# Altium PCB PDB_PCB1.PcbDoc (part 2 of 2)
Units mm, origin at the board's own origin, x right, y up, seen from the top; angles counter-clockwise.
Board outline 56 x 38 mm, 4 copper layers (Top Layer, GND, POWER, Bottom Layer), stack 0.603 mm thick; 69 components, 103 nets, 349 pads, 140 vias.
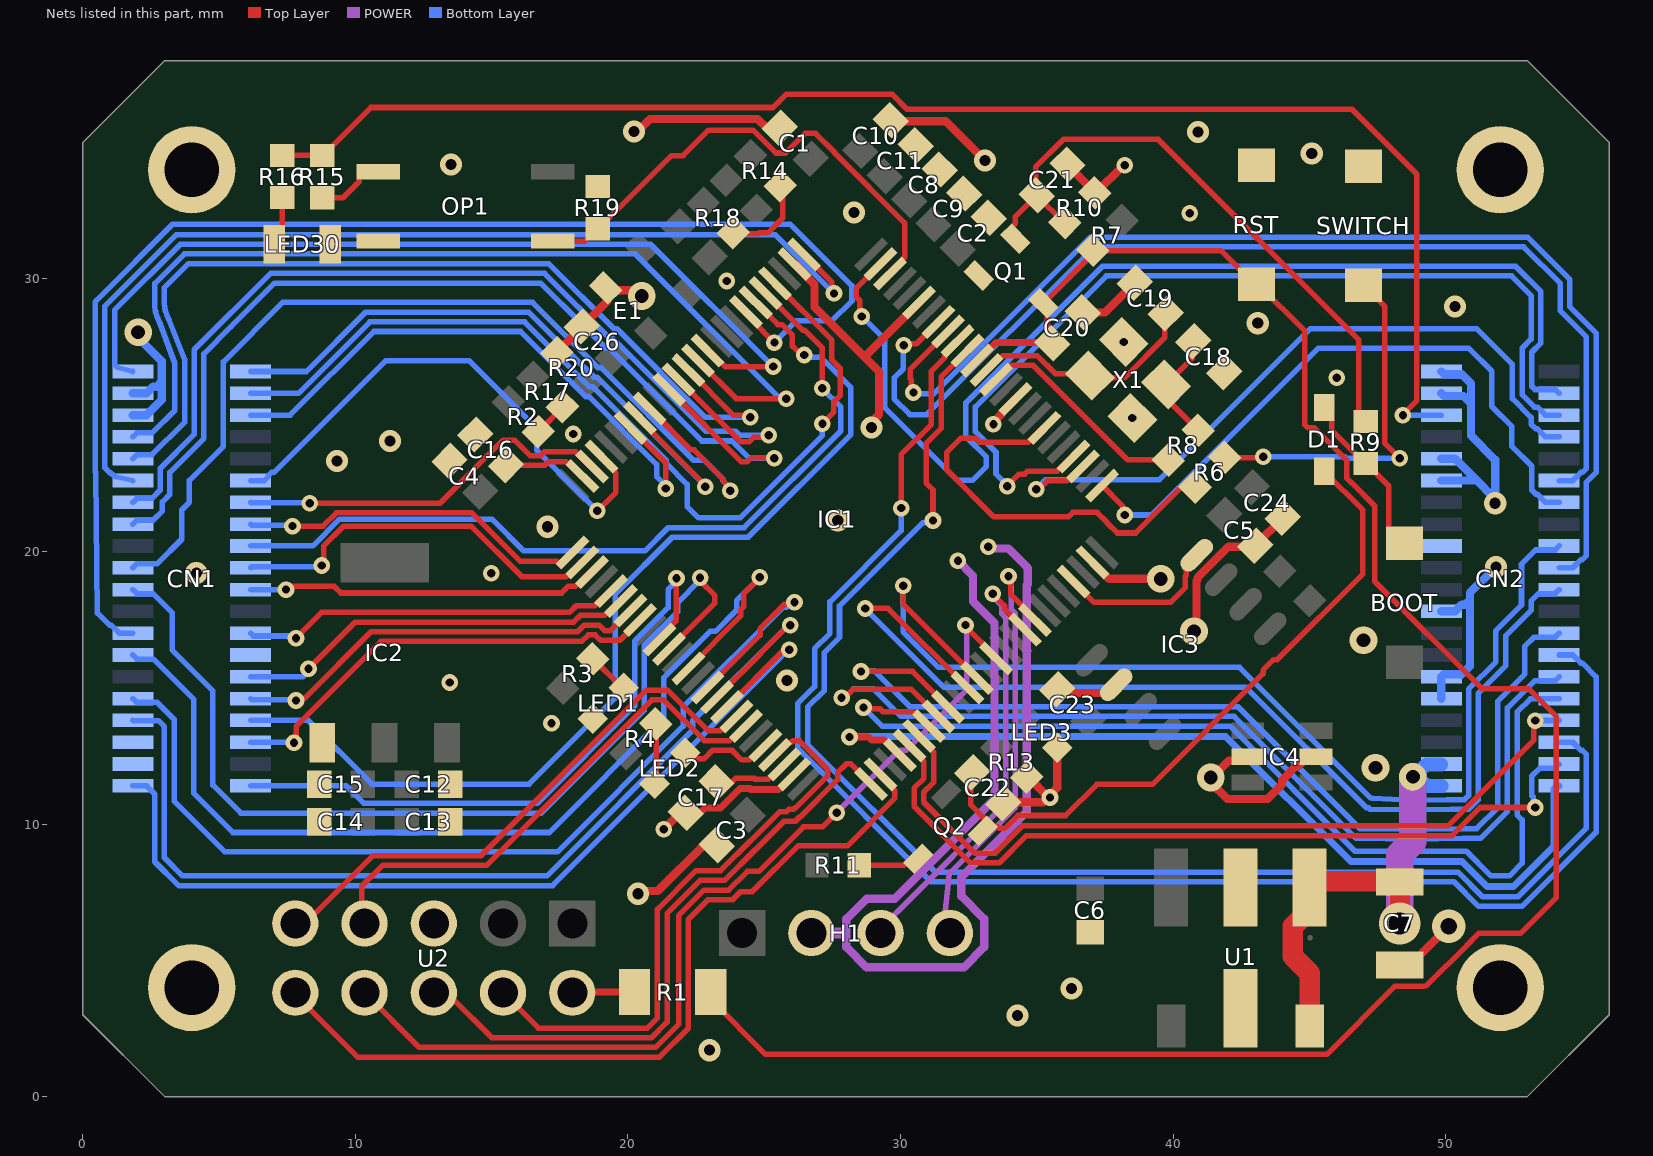
[diagram p4: the nets of this part, all layers, seen from the top]

## Via types
v1: diameter 0.61, hole 0.305, Top Layer to Bottom Layer, 100 vias
v2: diameter 0.813, hole 0.406, Top Layer to Bottom Layer, 21 vias
v3: diameter 1.016, hole 0.508, Top Layer to Bottom Layer, 8 vias
v4: diameter 1.219, hole 0.61, Top Layer to Bottom Layer, 3 vias
v5: diameter 1.524, hole 0.762, Top Layer to Bottom Layer, 2 vias
v6: diameter 1.524, hole 0.813, Top Layer to Bottom Layer, 2 vias
v7: diameter 1.2, hole 1.2, Top Layer to Bottom Layer, 2 vias
v8: diameter 0.8, hole 0.8, Top Layer to Bottom Layer, 2 vias

## Nets (pads, with @x,y where several pads share a name; then routed paths per layer and width w, separated by ;. In a path a pad name is that pad's centre, name@x,y a point inside that pad or via, vN(x,y) a via of type N, cw(c..) or ccw(c..) an arc to the next point about the centre after c; other vN are vias at no path point) (continued)
FIREON_PWR_EN: CN1.8 IC1.40 | length 37.4
  Top Layer w0.203: IC1.40@21.507,25.948 24.17,23.286 24.373,23.286 24.531,23.444 25.349,23.444 v1(25.372,23.421)
  Bottom Layer w0.203: CN1.8@1.84,21 1.988,21.148 2.587,21.148 2.921,21.483 2.921,21.819 3.2,22.097 3.2,22.9 4.445,24.145 4.445,24.85 4.445,27.25 5.44,28.245 7.04,29.845 16.8,29.845 18.349,28.296 19.187,27.458 19.303,27.458 22.71,24.051 23.814,24.051 24.443,23.421 v1(25.372,23.421)
GLVMS-: CN2.3 R15.2 R16.2 | length 54.2
  Top Layer w0.203: R16.2@7.315,34.528 8.785,34.528 R15.2@8.788,34.524 8.813,34.524 10.573,36.284 25.318,36.284 25.501,36.467 25.507,36.467 25.812,36.772 29.693,36.772 30.245,36.22 46.562,36.22 48.946,33.837 48.946,25.544 48.431,25.029 v1(48.431,24.994)
  Bottom Layer w0.203: v1(48.431,24.994) 48.434,24.997 49.837,24.997 CN2.3@49.84,25
GLVMS_OFF: IC1.23 OP1.3 R19.2 | length 18.7
  Top Layer w0.203: OP1.3@17.247,31.384 18.418,31.384 18.873,31.839 18.923,31.839 21.605,34.521 22.022,34.521 22.96,35.458 24.588,35.458 25.43,34.616 25.777,34.616 26.497,35.336 26.881,35.336 27.592,34.625 27.592,34.606 30.15,32.047 30.15,30.787 29.622,30.259 IC1.23@29.622,30.191
GND: C1.1 C2.1 C3.1 C4.1 C5.1 C6.1 C7.1 C8.1 C9.1 C10.1 C11.1 C12.1 C13.1 C14.1 C15.1 C16.2 C17.2 C18.2 C19.1 C20.1 C21.1 C22.1 C23.1 C24.1 C26.1 CN1.2 CN1.3 CN1.18 CN1.19 CN1.27 CN2.1 CN2.2 CN2.5 CN2.6 CN2.9 CN2.12 CN2.15 CN2.16 E1.2 H1.2 IC1.10 IC1.20 IC1.27 IC1.74 IC1.99 IC2.1 IC3.2 IC4.2 IC4.5 LED1.1 LED3.1 LED30.1 OP1.2 pad.3 pad.4 pad.5 pad.6 Q1.2 R10.1 R13.1 R19.1 R20.2 RST.2 SWITCH.2 U1.2 U1.5 U2.5 X1.2 X1.4 | length 131.2
  Top Layer w0.254: C17.2@22.117,10.407 22.152,10.372 22.609,10.372 22.824,10.587 23.399,10.587 24.107,11.296 24.471,11.296 24.5,11.267 25.516,11.267 26.071,11.823 IC1.74@26.103,11.823
  Top Layer w0.305: R20.2@17.393,27.286 17.393,27.311 18.307,28.225 C26.1@18.307,28.251 19.268,29.212 E1.2@19.268,29.576 ; E1.2@19.18,29.664 E1.2@19.268,29.576 ; v2(20.218,35.408) 20.356,35.408 20.813,35.865 24.756,35.865 25.115,35.506 25.536,35.506 C1.1@25.571,35.541 ; v2(20.371,7.442) 20.468,7.539 21.094,7.539 22.803,9.249 23.224,9.249 C3.1@23.26,9.213 ; v3(20.505,29.366) 20.313,29.366 20.103,29.576 E1.2@19.268,29.576 ; v1(21.311,9.804) 21.913,10.407 C17.2@22.117,10.407 ; IC1.27@26.103,30.544 26.103,30.541 26.848,29.797 26.848,28.96 28.679,27.129 ; v2(28.931,24.54) 29.028,24.637 29.028,24.831 29.21,25.013 29.21,26.598 28.679,27.129 ; C10.1@29.649,35.821 29.684,35.786 31.651,35.786 v2(33.096,34.341) ; IC1.20@30.683,29.13 28.682,27.129 28.679,27.129 ; v1(33.409,24.666) 33.409,24.749 33.719,25.059 33.719,25.092 34.218,25.591 IC1.10@34.218,25.595 ; C22.1@33.738,10.763 33.773,10.798 35.227,10.798 35.401,10.973 v1(35.484,10.973) ; R13.1@34.635,11.72 34.686,11.72 35.433,10.973 v1(35.484,10.973) ; LED3.1@35.747,12.797 35.747,11.318 35.484,11.055 v1(35.484,10.973) ; C23.1@35.756,14.942 35.792,14.977 36.213,14.977 36.382,14.808 37.608,14.808 IC3.2@37.909,15.108 ; C21.1@36.126,34.195 36.126,34.178 37.124,33.179 R10.1@37.124,33.162 37.175,33.162 38.176,34.163 v1(38.227,34.163) ; C20.1@36.691,28.767 36.727,28.731 37.148,28.731 37.183,28.767 37.502,28.767 C19.1@38.594,29.859 ; IC1.99@37.047,19.601 37.656,18.992 v3(39.548,18.992) ; v3(40.768,17.069) 40.857,17.157 40.857,18.912 40.894,18.949 40.894,19.035 42.036,20.176 42.974,20.176 C5.1@43.009,20.212 C24.1@44.025,21.228 ; IC4.5@42.743,12.471 42.595,12.324 42.049,12.324 41.435,11.709 v3(41.381,11.709) 41.381,11.527 41.992,10.917 43.469,10.917 43.993,11.44 43.993,11.602 44.517,12.126 44.598,12.126 44.943,12.471 IC4.2@45.243,12.471 ; C7.1@48.311,4.825 48.686,4.825 50.109,6.248 v4(50.114,6.248)
  POWER w0.305: v1(32.106,19.66) 32.662,19.103 32.662,18.74 32.662,18.164 33.449,17.376 33.449,10.919 29.836,7.306 29.786,7.256 29.27,7.256 28.75,7.256 28.014,6.52 28.014,5.48 28.75,4.744 32.33,4.744 33.066,5.48 33.066,6.52 32.233,7.354 32.233,8.05 34.635,10.453 34.635,18.759 34.672,18.796 34.672,19.385 34.635,19.422 34.635,19.432 33.957,20.109 33.282,20.109 v1(33.223,20.168)
  POWER w0.406: H1.2@26.786,5.944 H1.2@26.73,6 27.963,6
  Bottom Layer w0.305: CN1.3@1.84,25 2.34,25 2.895,25.555 2.895,26.224 ; CN1.2@1.84,25.8 2.34,25.8 2.585,26.045 2.716,26.045 2.895,26.224 ; v3(2.032,28.042) 2.032,27.849 2.895,26.986 2.895,26.224 ; CN2.16@49.84,14.6 CN2.15@49.84,15.4 49.938,15.498 50.6,15.498 50.895,15.792 50.895,18.224 ; CN2.12@49.84,17.8 50.34,17.8 50.585,18.045 50.716,18.045 50.895,18.224 ; CN2.6@49.84,22.6 51.14,22.6 ; CN2.5@49.84,23.4 50.34,23.4 51.14,22.6 ; CN2.2@49.84,25.8 49.938,25.702 50.65,25.702 50.927,25.425 ; CN2.1@49.84,26.6 49.938,26.502 50.588,26.502 50.927,26.163 50.927,25.425 ; v2(51.841,19.431) 50.895,18.484 50.895,18.224 ; 50.927,25.425 50.927,24.247 51.816,23.358 v2(51.816,21.768) 51.719,21.865 51.719,22.021 51.14,22.6
  other v1: 17.196,13.691 13.464,15.191 14.986,19.202 17.999,24.308 38.506,24.892 45.999,26.365 38.188,27.685 23.622,29.921 40.615,32.41
  other v2: 22.987,1.702 34.29,2.972 36.271,3.962 25.837,15.26 4.166,19.202 17.043,20.904 27.697,21.133 9.322,23.317 11.278,24.054 43.104,28.372 50.343,28.981 28.296,32.436 13.513,34.188 45.085,34.595 40.919,35.382
  other v3: 47.422,12.065 46.986,16.743
GPIO_OUTPUT_PE0: IC1.97 IC3.8 | length 6
  Top Layer w0.203: IC1.97@36.34,18.894 37.105,18.128 39.906,18.128 40.451,18.673 40.451,19.08 40.488,19.118 40.488,19.484 IC3.8@40.864,19.86
H1_24V_Backup_EN: CN2.28 IC1.84 | length 37.6
  Top Layer w0.203: v1(28.55,15.596) 30.446,15.596 IC1.84@31.743,14.298
  Bottom Layer w0.203: v1(28.55,15.596) 29.058,15.596 30.353,14.3 42.383,14.3 46.858,9.825 46.939,9.825 48.768,9.803 ccw(c48.794,11.734) 48.82,9.803 50.492,9.825 50.496,9.829 51.137,9.829 51.911,10.603 51.911,12.603 51.911,14.51 52.908,15.507 52.908,16.526 53.234,16.852 54.012,16.852 CN2.28@54.16,17
H1_current_IN10: CN2.23 IC1.15 | length 53.1
  Top Layer w0.203: v1(31.191,21.133) 31.191,22.256 30.937,22.51 30.937,23.959 31.489,24.511 31.489,26.401 IC1.15@32.45,27.362
  Bottom Layer w0.203: v1(31.191,21.133) 31.113,21.055 30.817,21.055 27.762,18 27.762,16.846 27.203,16.287 27.203,14.895 26.594,14.286 26.594,12.918 31.273,8.238 50.444,8.238 51.35,7.332 52.65,7.332 55.164,9.845 55.164,12.555 55.015,12.704 54.956,12.704 54.66,13 CN2.23@54.16,13
H1_select: CN2.22 IC1.80 | length 29.5
  Top Layer w0.203: IC1.80@30.329,12.884 30.329,12.815 30.857,12.287 30.857,11.674 30.497,11.315 30.497,10.651 32.572,8.577 33.622,8.577 34.62,9.576 50.236,9.576 51.266,10.606 v1(53.282,10.606)
  Bottom Layer w0.203: v1(53.282,10.606) 53.205,10.684 53.205,10.996 53.156,11.045 53.156,11.755 53.452,12.052 54.012,12.052 CN2.22@54.16,12.2
H2_24V_Backup_EN: CN2.32 IC1.87 | length 40.5
  Top Layer w0.203: v1(30.099,18.745) 30.099,18.063 IC1.87@32.804,15.358
  Bottom Layer w0.203: v1(30.099,18.745) 30.099,17.043 31.394,15.748 42.443,15.748 47.181,11.011 47.235,10.956 47.313,10.952 48.746,10.871 ccw(c48.794,11.734) 48.81,10.87 50.05,10.892 50.054,10.896 50.695,10.896 50.844,11.045 50.844,13.045 50.844,14.952 51.841,15.949 51.841,17.094 52.781,18.034 52.781,19.533 53.3,20.052 54.012,20.052 CN2.32@54.16,20.2
H2_current_IN11: CN2.27 IC1.16 | length 57.6
  Top Layer w0.203: v1(30.023,21.59) 30.023,23.548 31.133,24.658 31.133,26.616 31.631,27.114 31.631,27.181 32.097,27.647 IC1.16@32.097,27.716
  Bottom Layer w0.203: v1(30.023,21.59) 30.023,20.764 27.407,18.147 27.407,16.993 26.848,16.435 26.848,15.043 26.238,14.433 26.238,12.77 31.126,7.882 50.297,7.882 51.203,6.976 52.798,6.976 55.52,9.698 55.52,15.4 55.015,15.904 54.956,15.904 54.66,16.2 CN2.27@54.16,16.2
H2_select: CN2.26 IC1.83 | length 37.5
  Top Layer w0.203: v1(27.838,14.63) 27.948,14.63 28.253,14.935 30.399,14.935 IC1.83@31.39,13.944
  Bottom Layer w0.203: v1(27.838,14.63) 27.948,14.63 28.253,14.935 29.032,14.935 30.023,13.945 42.235,13.945 46.71,9.47 46.792,9.47 48.769,9.448 ccw(c48.794,11.734) 48.824,9.448 50.64,9.47 50.644,9.474 51.284,9.474 52.266,10.456 52.266,12.368 52.266,14.257 53.261,15.252 54.012,15.252 CN2.26@54.16,15.4
H3_24V_Backup_EN: CN2.37 IC1.3 | length 26.2
  Top Layer w0.203: v1(34.976,22.283) 35.086,22.283 35.391,22.588 35.638,22.588 35.64,22.59 35.823,22.59 35.825,22.592 36.097,22.592 36.625,23.12 IC1.3@36.693,23.12
  Bottom Layer w0.203: v1(34.976,22.283) 35.324,22.631 39.497,22.631 45.036,28.171 51.137,28.171 52.445,26.863 52.445,25.604 53.137,24.912 53.137,24.664 53.305,24.496 53.364,24.496 53.66,24.2 CN2.37@54.16,24.2
H3_current_IN12: CN2.31 IC1.17 | length 41.9
  Top Layer w0.203: v1(30.473,25.828) 30.395,25.906 30.395,26.3 30.36,26.336 30.36,26.686 IC1.17@31.743,28.069
  Bottom Layer w0.203: v1(30.473,25.828) 30.519,25.782 31.082,25.782 31.15,25.715 36.964,31.529 53.006,31.529 54.559,29.976 54.559,28.97 55.52,28.009 55.52,22.898 55.164,22.542 55.164,19.845 55.015,19.696 54.956,19.696 54.66,19.4 CN2.31@54.16,19.4
H3_select: CN2.30 IC1.86 | length 39.9
  Top Layer w0.203: v1(28.702,17.907) 29.548,17.907 IC1.86@32.45,15.005
  Bottom Layer w0.203: v1(28.702,17.907) 31.598,15.011 42.677,15.011 47.093,10.596 47.169,10.596 47.228,10.536 48.777,10.514 ccw(c48.794,11.734) 48.816,10.515 50.198,10.536 50.202,10.54 50.842,10.54 51.2,10.898 51.2,12.897 51.2,14.805 52.197,15.802 52.197,16.899 53.137,17.839 53.137,18.186 53.402,18.452 54.012,18.452 CN2.30@54.16,18.6
H4_current_IN13: CN2.35 IC1.18 | length 39.9
  Top Layer w0.203: v1(30.121,27.562) 30.17,27.611 30.578,27.611 IC1.18@31.39,28.423
  Bottom Layer w0.203: v1(30.121,27.562) 30.102,27.543 30.102,26.701 29.769,26.368 29.769,25.598 30.348,25.019 30.957,25.019 37.111,31.173 52.859,31.173 54.204,29.828 54.204,28.823 55.164,27.862 55.164,23.045 55.015,22.896 54.956,22.896 54.66,22.6 CN2.35@54.16,22.6
H4_select: CN2.34 IC1.1 | length 23.9
  Top Layer w0.203: IC1.1@37.4,22.413 38.149,21.664 38.149,21.414 v1(38.227,21.336)
  Bottom Layer w0.203: v1(38.227,21.336) 39.207,21.336 45.331,27.46 50.843,27.46 51.689,26.613 51.689,25.324 52.426,24.587 52.426,23.856 53.156,23.125 53.156,22.245 53.305,22.096 53.364,22.096 53.66,21.8 CN2.34@54.16,21.8
H5_current_IN1: CN2.39 IC1.24 | length 42
  Top Layer w0.203: v1(28.582,28.619) 28.504,28.697 28.504,29.205 28.372,29.337 28.372,29.648 IC1.24@29.269,30.544
  Bottom Layer w0.203: v1(28.582,28.619) 29.413,27.788 29.413,25.279 32.086,22.606 32.633,22.606 33.147,23.12 33.147,23.47 32.393,24.224 32.393,25.449 37.406,30.462 52.564,30.462 53.492,29.534 53.492,27.642 53.156,27.305 53.156,26.059 53.275,25.94 54.02,25.94 CN2.39@54.16,25.8
H5_select: CN2.38 IC1.4 | length 34.4
  Top Layer w0.203: v1(33.916,22.396) 33.916,22.41 34.339,22.833 34.552,22.833 34.663,22.943 35.47,22.943 35.472,22.945 35.743,22.945 36.271,23.473 IC1.4@36.34,23.473
  Bottom Layer w0.203: v1(33.916,22.396) 33.916,22.432 33.503,22.845 33.503,23.638 32.748,24.393 32.748,25.302 37.553,30.106 52.417,30.106 53.137,29.386 53.137,27.789 52.8,27.453 52.8,25.752 53.256,25.296 53.364,25.296 53.66,25 CN2.38@54.16,25
I2C1_SCL: H1.3 IC1.92 | length 16.5
  Top Layer w0.203: v1(33.379,18.452) 33.379,18.438 33.816,18.002 33.816,17.882 IC1.92@34.572,17.126
  POWER w0.203: H1.3@29.007,5.944 30.014,6.91 33.855,10.751 33.855,17.567 33.706,17.716 33.706,18.015 33.379,18.342 v1(33.379,18.452)
I2C1_SDA: H1.4 IC1.93 | length 16.3
  Top Layer w0.203: v1(33.961,19.091) 34.038,19.013 34.038,18.727 34.04,18.725 34.04,18.434 34.925,17.548 IC1.93@34.925,17.48
  POWER w0.203: H1.4@31.547,5.944 31.779,8.171 34.211,10.603 34.211,17.714 34.061,17.864 34.061,18.704 34.038,18.727 34.038,19.013 v1(33.961,19.091)
IL+_PWR_EN: CN2.21 IC1.79 | length 33.2
  Top Layer w0.254: v1(28.127,13.192) 28.831,13.192 28.94,13.083 29.39,13.083 29.943,12.53 IC1.79@29.976,12.53
  Bottom Layer w0.254: v1(28.127,13.192) 28.143,13.208 41.93,13.208 46.519,8.619 50.602,8.619 51.508,7.713 52.492,7.713 53.968,9.189 53.968,11.277 54.091,11.4 CN2.21@54.16,11.4
L1_5V_Backup_EN: CN1.4 IC1.37 | length 36.4
  Top Layer w0.203: IC1.37@22.568,27.009 23.974,25.603 v1(25.806,25.603)
  Bottom Layer w0.203: CN1.4@1.84,24.2 1.988,24.348 2.548,24.348 3.378,25.179 3.378,25.292 3.378,26.899 2.842,28.342 ccw(c2.032,28.042) 2.825,28.383 2.748,28.564 ; 2.748,28.565 2.719,28.632 2.698,28.701 cw(c4,29.1) 2.669,28.809 2.638,28.953 2.638,29.819 2.65,29.833 3.729,30.912 20.269,30.912 25.5,25.681 25.729,25.681 v1(25.806,25.603)
L1_24V_Backup_EN: CN1.40 IC1.43 | length 23.8
  Top Layer w0.203: IC1.43@20.447,24.887 20.447,24.826 22.835,22.438 v1(22.835,22.377)
  Bottom Layer w0.203: CN1.40@6.16,26.6 8.205,26.6 10.383,28.778 16.358,28.778 18.745,26.391 18.861,26.391 22.835,22.418 v1(22.835,22.377)
L1_current_IN3: CN1.6 IC1.26 | length 37.7
  Top Layer w0.203: IC1.26@26.457,30.898 27.481,29.874 27.481,29.542 v1(27.559,29.464)
  Bottom Layer w0.203: CN1.6@1.84,22.6 1.192,22.748 0.985,22.896 0.813,23.068 0.813,29.002 3.434,31.623 25.4,31.623 v1(27.559,29.464)
L1_select0: CN1.7 IC1.39 | length 35.9
  Top Layer w0.203: IC1.39@21.861,26.302 24.134,24.028 24.457,24.028 24.611,24.183 25.09,24.183 v1(25.168,24.26)
  Bottom Layer w0.203: CN1.7@1.84,21.8 1.988,21.948 2.548,21.948 2.844,22.245 2.844,23.047 4.089,24.292 4.089,24.997 4.089,27.397 6.893,30.201 16.947,30.201 19.334,27.813 19.451,27.813 22.857,24.406 23.961,24.406 24.11,24.257 25.165,24.257 v1(25.168,24.26)
L1_select1: CN1.10 IC1.42 | length 36.1
  Top Layer w0.203: IC1.42@20.8,25.241 22.32,23.721 22.425,23.721 23.495,22.651 23.495,22.589 23.749,22.335 v1(23.749,22.225)
  Bottom Layer w0.203: CN1.10@1.84,19.4 1.98,19.54 2.725,19.54 3.632,20.447 3.632,21.524 3.911,21.803 3.911,22.605 5.156,23.85 5.156,24.555 5.156,26.955 7.335,29.134 16.505,29.134 18.892,26.746 19.009,26.746 22.415,23.34 22.806,23.34 23.495,22.651 23.495,22.589 23.749,22.335 v1(23.749,22.225)
L2_5V_Backup_EN: CN1.34 IC1.48 | length 14
  Top Layer w0.203: v1(8.331,21.768) 13.105,21.768 15.421,24.084 15.842,24.084 16.413,23.514 16.798,23.514 16.935,23.65 17.876,23.65 17.878,23.648 18.082,23.648 18.61,23.12 IC1.48@18.679,23.12
  Bottom Layer w0.203: CN1.34@6.16,21.8 6.176,21.784 8.315,21.784 v1(8.331,21.768)
L2_24V_Backup_EN: CN1.5 IC1.38 | length 34.7
  Top Layer w0.203: IC1.38@22.214,26.655 23.876,24.994 24.409,24.994 v1(24.486,24.917)
  Bottom Layer w0.203: CN1.5@1.84,23.4 1.988,23.548 2.548,23.548 3.734,24.734 3.734,25.144 3.734,27.046 3.167,28.488 ccw(c2.032,28.042) 3.153,28.521 3.075,28.705 cw(c4,29.1) 2.994,29.1 2.994,29.672 3.053,29.731 3.878,30.556 17.094,30.556 19.482,28.169 19.598,28.169 22.849,24.917 v1(24.486,24.917)
L2_current_IN4: CN1.39 IC1.29 | length 33.7
  Top Layer w0.203: IC1.29@25.396,29.837 27.483,27.751 27.483,27.024 27.788,26.719 27.788,25.711 27.559,25.482 27.559,25.119 27.135,24.695 v1(27.135,24.681)
  Bottom Layer w0.203: CN1.39@6.16,25.8 7.908,25.8 10.53,28.423 16.21,28.423 18.598,26.035 18.714,26.035 21.411,23.339 21.411,23.222 22.174,22.459 22.174,21.647 22.589,21.231 24.116,21.231 27.123,24.238 27.123,24.669 v1(27.135,24.681)
L2_select0: CN1.38 IC1.44 | length 22
  Top Layer w0.203: IC1.44@20.093,24.534 21.392,23.235 v1(21.392,22.307)
  Bottom Layer w0.203: CN1.38@6.16,25 7.611,25 10.678,28.067 16.063,28.067 18.45,25.68 18.567,25.68 21.055,23.191 21.055,22.754 21.392,22.417 v1(21.392,22.307)
L2_select1: CN1.35 IC1.47 | length 19.8
  Top Layer w0.203: v1(18.88,21.487) 19.558,22.166 19.558,22.597 19.56,22.599 19.56,22.877 19.032,23.405 IC1.47@19.032,23.473
  Bottom Layer w0.203: CN1.35@6.16,22.6 6.66,22.6 6.808,22.748 6.808,22.777 6.927,22.896 7.015,22.896 11.119,27 14.171,27 16.66,24.512 16.66,23.707 v1(18.88,21.487)
L3_5V_Backup_EN: CN1.1 IC1.36 | length 32.4
  Top Layer w0.203: IC1.36@22.922,27.362 22.986,27.362 23.567,26.781 v1(25.334,26.781)
  Bottom Layer w0.203: CN1.1@1.84,26.6 1.27,26.748 1.168,26.85 1.168,28.854 3.581,31.267 20.834,31.267 25.32,26.781 v1(25.334,26.781)
L3_current_IN5: CN1.32 IC1.30 | length 30.6
  Top Layer w0.203: IC1.30@25.043,29.484 26.416,28.11 26.494,28.11 27.127,27.477 v1(27.127,25.984)
  Bottom Layer w0.203: CN1.32@6.16,20.2 8.44,20.2 9.423,21.184 15.011,21.184 16.178,20.017 20.621,20.017 21.48,20.876 24.264,20.876 27.813,24.425 27.813,25.298 v1(27.127,25.984)
L3_select0: CN1.31 IC1.52 | length 14.2
  Top Layer w0.203: v1(8.763,19.482) 8.839,19.558 8.839,20.193 9.576,20.93 14.249,20.93 16.105,19.074 17.45,19.074 ; 17.451,19.073 17.729,19.073 18.257,19.601 IC1.52@18.325,19.601
  Bottom Layer w0.203: CN1.31@6.16,19.4 6.201,19.441 8.722,19.441 v1(8.763,19.482)
L3_select1: CN1.28 IC1.55 | length 14
  Top Layer w0.203: v1(7.822,16.819) 8.767,17.764 17.861,17.764 18.104,18.007 18.784,18.007 19.318,18.54 IC1.55@19.386,18.54
  Bottom Layer w0.203: CN1.28@6.16,17 6.263,16.897 7.745,16.897 v1(7.822,16.819)
L4_5V_Backup_EN: CN1.11 IC1.61 | length 35.8
  Top Layer w0.203: IC1.61@21.507,16.419 23.189,18.1 23.189,18.383 22.647,18.924 v1(22.647,19.034)
  Bottom Layer w0.203: CN1.11@1.84,18.6 1.988,18.452 2.58,18.452 3.277,17.755 3.277,16.383 4.775,14.884 4.775,11.426 5.801,10.4 16.82,10.4 20.599,14.179 20.599,16.561 21.832,17.793 21.832,18.128 22.647,18.944 v1(22.647,19.034)
L4_current_IN6: CN1.24 IC1.31 | length 37.3
  Top Layer w0.203: IC1.31@24.689,29.13 25.498,28.321 25.648,28.321 26.035,27.934 26.035,27.534 26.365,27.203 v1(26.467,27.203)
  Bottom Layer w0.203: CN1.24@6.16,13.8 8.273,13.8 10.606,11.467 16.378,11.467 19.533,14.621 19.533,18.426 21.627,20.52 24.411,20.52 28.169,24.278 28.169,26.026 27.069,27.126 26.545,27.126 v1(26.467,27.203)
L4_select0: CN1.23 IC1.58 | length 16.6
  Top Layer w0.203: v1(7.751,12.981) 7.828,13.059 7.828,13.585 10.941,16.697 18.303,16.697 18.546,16.94 18.797,16.94 18.996,16.741 19.708,16.741 IC1.58@20.447,17.48
  Bottom Layer w0.203: CN1.23@6.16,13 6.169,12.991 7.741,12.991 v1(7.751,12.981)
L4_select1: CN1.20 IC1.67 | length 33.8
  Top Layer w0.203: IC1.67@23.629,14.298 25.65,16.319 25.842,16.319 v1(25.92,16.397)
  Bottom Layer w0.203: CN1.20@1.84,11.4 2.34,11.4 2.642,11.098 2.642,8.615 3.519,7.738 17.238,7.738 25.896,16.397 v1(25.92,16.397)
L5_current_IN7: CN1.13 IC1.32 | length 48.5
  Top Layer w0.203: IC1.32@24.336,28.777 24.336,28.708 24.944,28.1 24.944,28.092 v1(25.375,27.661)
  Bottom Layer w0.203: CN1.13@1.84,17 1.34,17 1.044,17.296 0.985,17.296 0.54,17.741 0.481,22.827 0.48,22.898 0.457,22.921 0.457,29.149 0.517,29.219 3.302,32.004 25.953,32.004 26.012,31.944 28.219,29.738 28.219,29.19 27.493,28.464 26.178,28.464 v1(25.375,27.661)
L5_select0: CN1.14 IC1.63 | length 37.1
  Top Layer w0.203: IC1.63@22.214,15.712 24.135,17.633 24.135,17.857 24.257,17.978 24.257,18.466 v1(24.841,19.05)
  Bottom Layer w0.203: CN1.14@1.84,16.2 1.988,16.052 2.592,16.052 4.064,14.58 4.064,11.131 5.506,9.689 17.115,9.689 21.311,13.884 21.311,15.363 23.013,17.066 23.213,17.066 23.988,17.841 23.988,18.197 v1(24.841,19.05)
L5_select1: CN1.17 IC1.66 | length 37.1
  Top Layer w0.203: IC1.66@23.275,14.651 24.856,16.233 24.856,16.267 25.875,17.286 v1(25.957,17.286)
  Bottom Layer w0.203: CN1.17@1.84,13.8 1.849,13.791 2.776,13.791 2.997,13.57 2.997,8.762 3.666,8.094 17.029,8.094 22.377,13.442 22.377,13.788 25.875,17.286 v1(25.957,17.286)
LED_PA12: IC1.71 LED2.1 | length 3.5
  Top Layer w0.203: LED2.1@22.102,12.607 22.318,12.392 22.791,12.392 23.104,12.705 23.819,12.705 24.169,12.356 24.446,12.356 24.974,12.884 IC1.71@25.043,12.884
LOGGER_PWR_EN: CN1.21 IC1.60 | length 23.7
  Top Layer w0.203: IC1.60@21.154,16.773 21.154,16.841 21.781,17.468 v1(21.781,19.011)
  Bottom Layer w0.203: CN1.21@6.16,11.4 9.667,11.4 10.311,10.755 16.673,10.755 20.244,14.326 20.244,16.708 21.476,17.94 21.476,18.597 21.781,18.901 v1(21.781,19.011)
MCU_UBR_EN: CN1.16 IC1.65 | length 37.2
  Top Layer w0.203: IC1.65@22.922,15.005 24.847,16.93 24.847,17.17 25.734,18.058 26.033,18.058 v1(26.111,18.136)
  Bottom Layer w0.203: CN1.16@1.84,14.6 1.974,14.466 2.73,14.466 3.353,13.843 3.353,10.836 5.212,8.977 17.41,8.977 22.022,13.59 22.022,14.285 25.683,17.946 25.812,17.946 26.001,18.136 v1(26.111,18.136)
NetBOOT_1: BOOT.1 D1.2 R9.1 | length 6.3
  Top Layer w0.203: D1.2@45.542,25.282 45.816,25.009 45.816,24.446 47.041,23.221 47.091,23.221 47.91,22.402 47.91,20.809 48.424,20.295 BOOT.1@48.489,20.295
NetC18_1: C18.1 R8.2 X1.1 | length 4.2
  Top Layer w0.203: C18.1@40.742,27.711 40.706,27.676 40.706,27.092 X1.1@39.744,26.129 39.744,25.618 R8.2@40.923,24.439
NetC21_2: C21.2 Q1.1 R9.2 R10.2 | length 23
  Top Layer w0.203: Q1.1@34.215,31.467 34.073,31.608 34.073,31.889 34.215,32.03 34.215,32.284 C21.2@34.994,33.064 ; R10.2@36.028,32.066 35.993,32.066 C21.2@34.994,33.064 ; R9.2@47.066,24.771 46.805,25.032 46.805,27.769 39.453,35.121 35.985,35.121 34.959,34.095 34.959,33.099 C21.2@34.994,33.064
NetC22_2: C22.2 D1.1 Q2.1 | length 24.6
  Top Layer w0.203: C22.2@32.607,11.894 32.571,11.859 32.571,10.71 33.107,10.175 Q2.1@33.107,9.894 ; Q2.1@33.016,9.753 33.158,9.894 33.566,9.894 33.623,9.837 33.833,9.837 34.309,10.312 36.058,10.312 37.201,11.455 39.246,11.455 43.304,15.513 43.304,15.644 43.691,16.031 43.821,16.031 46.965,19.174 46.965,21.515 D1.1@45.542,22.937
NetLED1_2: LED1.2 R3.2 | length 1.6
  Top Layer w0.203: R3.2@18.709,16.067 19.776,15.001 LED1.2@19.852,15.001
NetLED2_2: LED2.2 R4.1 | length 2.2
  Top Layer w0.203: LED2.2@20.976,11.472 20.976,11.894 21.038,11.956 21.038,13.662 R4.1@21.02,13.68
NetLED30_2: LED30.2 R16.1 | length 1.8
  Top Layer w0.203: LED30.2@7.027,31.267 7.315,31.556 R16.1@7.315,32.978
NetOP1_1: OP1.1 R15.1 | length 2.5
  Top Layer w0.203: R15.1@8.788,32.974 9.543,32.974 10.147,33.578 10.147,33.746 10.325,33.924 OP1.1@10.846,33.924
NetQ2_3: Q2.3 R11.1 | length 2.2
  Top Layer w0.203: R11.1@28.486,8.484 30.123,8.484 30.367,8.727 Q2.3@30.597,8.727
NetR1_1: R1.1 U2.2 | length 1.8
  Top Layer w0.254: U2.2@18.415,3.835 R1.1@20.241,3.835
NetR2_1: R2.1 R17.1 | length 1.3
  Top Layer w0.203: R2.1@16.711,24.386 17.6,25.275 R17.1@17.6,25.301
NetR6_2: R6.2 SWITCH.1 | length 13.4
  Top Layer w0.203: R6.2@41.899,23.459 41.917,23.441 43.279,23.441 v1(43.307,23.47) ; SWITCH.1@46.99,29.768 47.055,29.768 47.568,29.255 47.568,29.19 47.77,28.988 47.77,23.959 v1(48.311,23.419)
  Bottom Layer w0.203: v1(43.307,23.47) 46.291,23.47 46.342,23.419 v1(48.311,23.419)
NetR14_1: R14.1 R18.1 | length 3.4
  Top Layer w0.203: R18.1@23.865,31.685 24.323,31.685 24.34,31.702 24.392,31.65 24.791,31.65 24.825,31.685 25.131,31.685 25.686,32.239 25.686,32.764 25.685,32.766 25.685,33.513 R14.1@25.703,33.53
NRST: C20.2 IC1.14 Q1.3 R1.2 R7.1 RST.1 | length 76.5
  Top Layer w0.203: R1.2@23.041,3.56 25.049,1.552 45.639,1.552 48.137,4.05 49.181,4.05 49.186,4.05 49.291,4.071 50.794,5.563 ccw(c50.114,6.248) 50.809,5.578 51.095,5.875 51.214,5.994 52.756,5.994 54.051,7.29 54.051,13.959 53.043,14.967 51.327,14.967 47.396,18.898 47.396,21.666 46.521,22.542 46.511,22.542 46.362,22.691 46.362,23.351 45.185,24.528 44.95,24.528 44.831,24.647 44.831,28.081 43.118,29.794 RST.1@43.053,29.794 42.988,29.794 41.75,31.032 37.062,31.032 R7.1@37.044,31.05 37.044,30.902 Q1.3@35.24,29.098 35.382,28.957 35.382,28.306 35.525,28.163 C20.2@35.525,27.671
  Top Layer w0.254: R1.2@23.041,3.56 R1.2@23.041,3.835 ; IC1.14@32.804,27.009 32.837,27.009 33.498,27.671 C20.2@35.525,27.671
OS_25M_IN: IC1.12 R8.1 | length 8
  Top Layer w0.203: IC1.12@33.511,26.302 33.58,26.302 34.108,26.83 34.867,26.83 38.336,23.36 39.81,23.36 R8.1@39.827,23.343
OS_25M_OUT: C19.2 IC1.13 X1.3 | length 8.6
  Top Layer w0.203: IC1.13@33.158,26.655 33.226,26.655 33.756,27.185 35.014,27.185 35.681,26.518 36.88,26.518 X1.3@36.951,26.448 37.021,26.377 38.229,26.377 39.69,27.838 39.69,28.692 C19.2@39.726,28.727
PUMP_PWR_EN: CN2.25 IC1.82 | length 37
  Top Layer w0.203: v1(28.642,14.275) 28.696,14.22 29.252,14.22 29.353,14.119 30.44,14.119 30.968,13.591 IC1.82@31.036,13.591
  Bottom Layer w0.203: v1(28.642,14.275) 29.328,13.589 42.088,13.589 46.677,9 50.76,9 51.666,8.094 52.334,8.094 52.806,8.566 52.806,10.148 52.622,10.332 52.622,12.221 52.622,14.11 53.105,14.593 54.153,14.593 CN2.25@54.16,14.6
SWCLK: IC1.76 U2.6 | length 23.2
  Top Layer w0.203: U2.6@13.335,3.682 13.468,3.549 13.621,3.549 15.011,2.159 20.864,2.159 21.438,2.733 21.438,6.721 22.649,7.932 23.547,7.932 24.671,9.056 24.677,9.056 25.722,10.101 26.139,10.101 26.286,10.248 26.31,10.248 27.694,11.632 27.694,11.891 28.01,12.206 28.178,12.206 IC1.76@28.915,11.469
SWDIO: IC1.72 U2.4 | length 21.5
  Top Layer w0.203: U2.4@15.392,3.835 16.713,2.515 20.716,2.515 21.082,2.88 21.082,6.868 22.501,8.288 23.4,8.288 24.524,9.411 24.53,9.411 25.575,10.457 25.818,10.457 25.897,10.535 26.07,10.535 26.138,10.604 26.163,10.604 27.339,11.78 27.339,11.99 26.766,12.562 26.271,13.058 26.06,13.058 25.998,12.996 25.931,12.996 25.465,12.53 IC1.72@25.396,12.53
Swich_PC13: IC1.7 R6.1 | length 15.6
  Top Layer w0.203: IC1.7@35.279,24.534 35.21,24.534 34.682,24.006 32.91,24.006 32.76,24.155 32.213,24.155 31.699,23.642 31.699,22.987 33.415,21.271 36.163,21.271 36.322,21.43 37.215,21.43 37.567,21.078 37.567,21.062 37.953,20.676 38.623,20.676 40.328,22.38 40.786,22.38 R6.1@40.803,22.363
TAILLIGHT_PWR_EN: CN1.26 IC1.56 | length 14.8
  Top Layer w0.203: v1(8.283,15.694) 9.997,17.408 18.008,17.408 18.251,17.651 19.136,17.651 19.671,18.187 IC1.56@19.74,18.187
  Bottom Layer w0.203: CN1.26@6.16,15.4 8.076,15.4 8.283,15.607 v1(8.283,15.694)
TDI: IC1.77 U2.10 | length 30.5
  Top Layer w0.203: U2.10@7.696,3.835 10.084,1.448 21.158,1.448 22.212,2.501 22.212,6.489 22.943,7.221 23.842,7.221 24.14,7.518 24.562,7.518 26.244,9.201 28.048,9.201 29.797,10.949 29.797,11.226 29.269,11.754 IC1.77@29.269,11.823
TDO: IC1.89 U2.8 | length 34.8
  Top Layer w0.203: U2.8@10.312,3.835 12.344,1.803 21.011,1.803 21.856,2.649 21.856,6.636 22.796,7.576 23.695,7.576 24.383,8.265 24.805,8.265 26.433,9.893 27.139,9.893 v1(27.661,10.414) ; v1(32.385,17.297) 32.385,17.245 33.511,16.118 IC1.89@33.511,16.066
  POWER w0.203: v1(27.661,10.414) 29.96,12.713 30.214,12.713 32.436,14.935 32.436,17.247 v1(32.385,17.297)
Temperature_PWR_EN: CN1.33 IC1.51 | length 13
  Top Layer w0.203: v1(7.696,20.93) 8.819,20.93 9.302,21.412 14.275,21.412 16.053,19.634 17.393,19.634 17.488,19.539 17.556,19.539 IC1.51@17.972,19.955
  Bottom Layer w0.203: CN1.33@6.16,21 6.195,20.965 7.661,20.965 v1(7.696,20.93)
TSALR_PWR_EN: CN1.25 IC1.57 | length 15.5
  Top Layer w0.203: v1(7.822,14.529) 7.9,14.607 8.13,14.607 10.575,17.052 18.155,17.052 18.399,17.296 18.944,17.296 19.143,17.096 19.356,17.096 IC1.57@20.093,17.833
  Bottom Layer w0.203: CN1.25@6.16,14.6 6.195,14.565 7.787,14.565 v1(7.822,14.529)
USART1_RX: IC1.69 U2.7 | length 19.1
  Top Layer w0.203: U2.7@10.236,6.375 10.236,7.722 10.998,8.484 14.808,8.484 20.877,14.553 21.312,14.553 22.804,13.061 23.737,13.061 24.267,13.591 IC1.69@24.336,13.591
USART1_TX: IC1.68 U2.9 | length 20.7
  Top Layer w0.203: U2.9@7.696,6.375 8.101,6.375 8.473,6.747 8.551,6.747 10.643,8.839 14.62,8.839 20.689,14.908 21.46,14.908 22.951,13.416 23.386,13.416 23.914,13.944 IC1.68@23.982,13.944
VBAT: C7.2 CN2.19 CN2.20 U1.1 U1.6 | length 18.4
  Top Layer w0.762: U1.6@45.009,2.596 45.009,4.529 44.393,5.145 44.393,6.245 45.009,6.861 U1.1@45.009,7.671 45.237,7.899 C7.2@48.167,7.899 ; v6(48.311,6.35) C7.2@48.311,7.875
  POWER w1.016: v6(48.311,6.35) 48.311,8.869 48.794,9.352 v3(48.794,11.734)
  Bottom Layer w0.508: v3@48.863,11.747 v3(48.794,11.734) ; CN2.19@49.826,12.186 49.302,12.186 v3(48.794,11.734) ; CN2.20@49.84,11.4 49.327,11.4 48.877,11.734 v3(48.794,11.734)
VCAP_1: C16.1 IC1.49 | length 3.1
  Top Layer w0.203: C16.1@15.526,23.158 15.562,23.193 16.054,23.193 16.09,23.158 16.946,23.158 17.082,23.294 17.729,23.294 18.257,22.766 IC1.49@18.325,22.766
VCAP_2: C17.1 IC1.73 | length 2.8
  Top Layer w0.203: C17.1@23.248,11.538 23.283,11.503 23.776,11.503 23.95,11.677 24.629,11.677 24.657,11.648 25.153,11.648 25.681,12.176 IC1.73@25.75,12.176
VCU_PWR_EN: CN1.30 IC1.53 | length 13
  Top Layer w0.203: v1(7.455,18.6) 7.565,18.6 7.684,18.72 9.227,18.72 9.472,18.475 17.566,18.475 17.809,18.718 18.081,18.718 18.61,19.248 IC1.53@18.679,19.248
  Bottom Layer w0.203: CN1.30@6.16,18.6 v1(7.455,18.6)
VCU_UBR_EN: CN2.24 IC1.81 | length 29.3
  Top Layer w0.203: IC1.81@30.683,13.237 30.683,13.169 31.213,12.639 31.213,11.527 30.853,11.168 30.853,10.799 32.719,8.933 33.474,8.933 34.473,9.931 50.089,9.931 53.223,13.065 53.223,13.734 v1(53.282,13.794)
  Bottom Layer w0.203: v1(53.282,13.794) 53.285,13.797 54.157,13.797 CN2.24@54.16,13.8
pads on no net: IC1.6 IC1.8 IC1.25 IC1.35 IC1.70 IC1.88 IC1.90 IC3.5 U1.0 U1.4
copper on no net:
  other v7: 4,29.1 52,29.1
  other v8: 4,8.9 52,8.9

## Polygon pours and split planes (outlines as drawn)
GND on Bottom Layer "GND_L04_P002" (solid, remove dead copper, pour order 2): -2.769,36.398 1.778,40.945 54.483,40.945 59.588,35.839 59.588,1.753 54.356,-3.48 2.032,-3.48 -2.946,1.499
GND on Top Layer "GND_L01_P000" (solid, remove dead copper, pour order 0): 3,38 53,38 56,35 56,3 53,0 3,0 0,3 0,35
GND on GND (split plane): 55.49,34.789 55.49,3.211 52.789,0.51 3.211,0.51 0.51,3.211 0.51,34.789 3.211,37.49 52.789,37.49

## Silkscreen, mask and mechanical layers (free items; w line width, h text height)
Top Overlay:
  text "WUTE" at 6.599,25.471 h2
  text "RX" at 9.728,8.204 h0.76
  text "GND" at 11.836,8.204 h0.76
  text "3.3" at 14.478,8.204 h0.76
  text "TX" at 7.112,8.179 h0.76
  text "5V" at 17.323,8.179 h0.76
  text "design" at 26.06,3.432 h1
  text "by ljl" at 26.467,1.773 h0.9
  text "TDI" at 6.883,1.194 h0.76
  text "TDO" at 9.271,1.194 h0.76
  text "CLK" at 11.887,1.194 h0.76
  text "DIO" at 14.478,1.194 h0.76
  text "RST" at 17.043,1.194 h0.76
Bottom Overlay:
  lines w0.508: 14,6.25 16,4.25 40,4.25 42,6.25 42,29.25 40,31.25 16,31.25 14,29.25 14,6.25
  text "OLED" at 19.093,20.353 h5 r180
Top Solder:
  the board outline again, w2.032
Mechanical 1:
  the board outline again, w0.254

## Text inside footprints (layer, text, board x,y; h text height)
OP1: Top Overlay "*" at 10.274,34.356 h0.8; Mechanical 13 "*" at 11.913,33.454 h0.8